# Allegro board PSOC_6A512K_CAPSENSE_VALIDATION_BOARD_Rev_2.brd (continued)
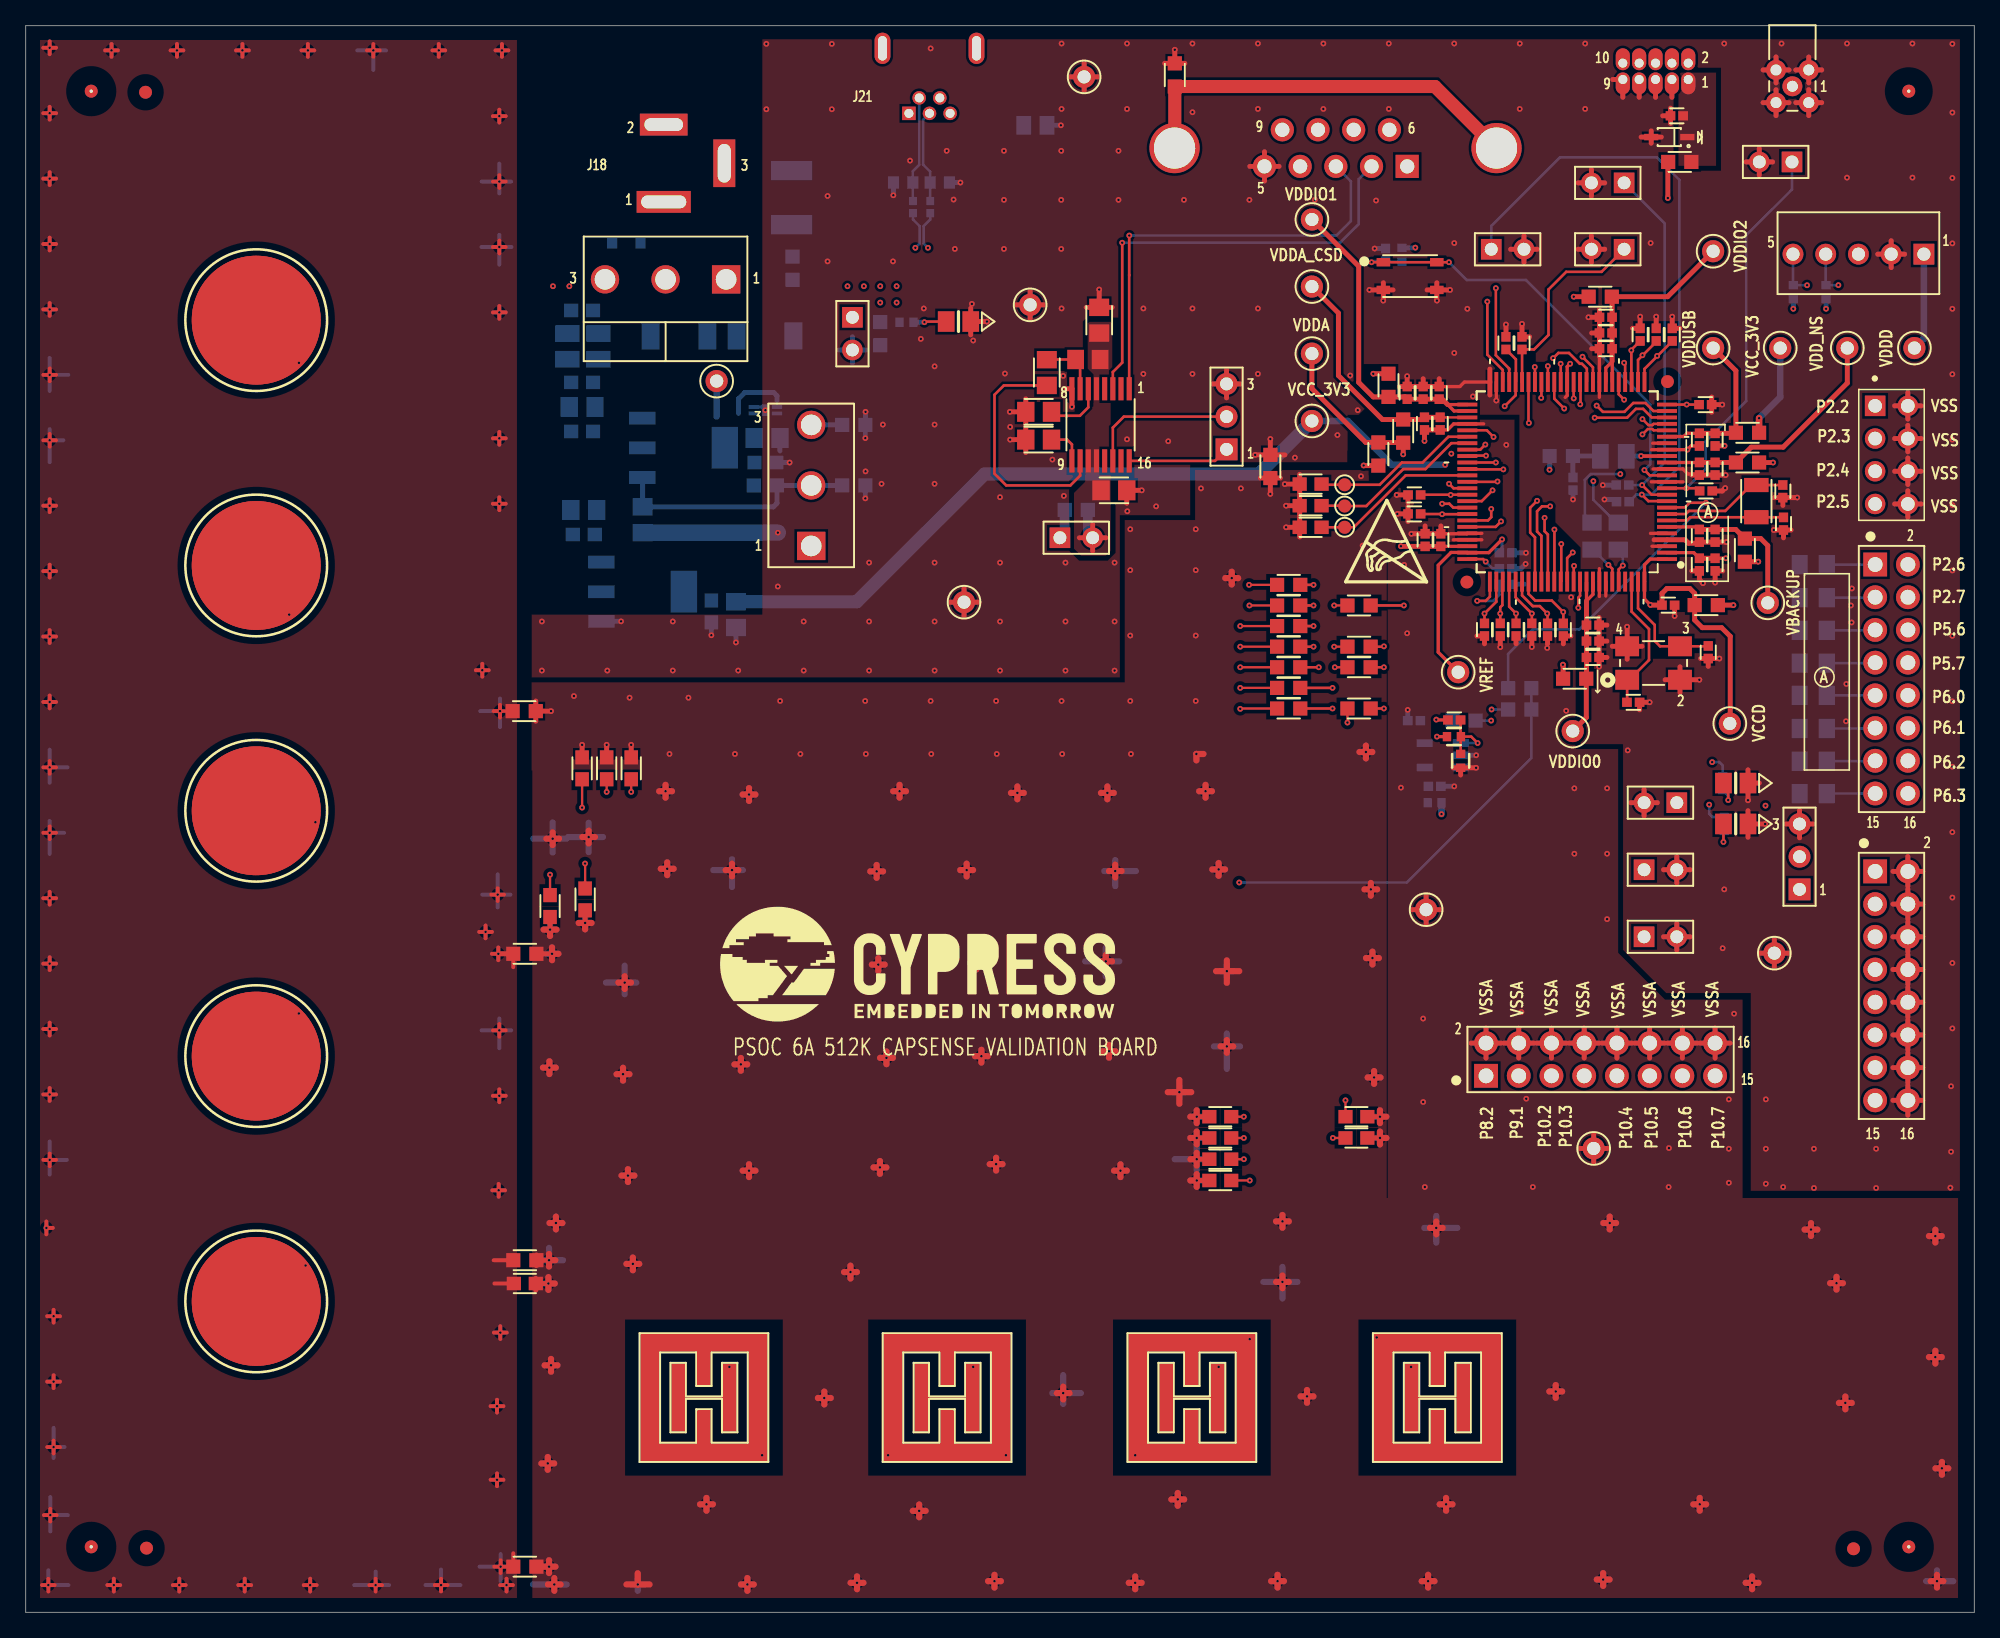
[diagram p0: board, top side]
## Routing (per net, layer and track width the routed paths; a pad name or vN(x,y) marks a point on that pad's centre or on a via; arc(x,y) is an arc through that point) (continued)
  BOTTOM w1.27: C51.2 v1(58.37,83.84)
  vias: v1(40.06,76.94) v1(40.06,73.13) v1(45.14,73.13) v1(50.22,76.94) v1(50.22,73.13) v1(55.3,73.13) v1(57.48,121.79) v1(57.48,116.71) v1(58.37,79.65) v1(60.38,76.94) v1(60.38,73.13) v1(62.23,109.98) v1(62.23,104.9) v1(62.56,121.79) v1(62.56,116.71) v1(65.18,88.6) v1(65.46,81.51) v1(65.46,76.94) v1(65.46,73.13) v1(66.42,87.63) v1(66.52,92.23) v1(67.31,104.9) v1(68.63,112.73) v1(69.47,98.88) v1(69.7,101.24) v1(70.23,121.44) v1(70.54,96.75) v1(70.54,92.23) v1(70.54,87.63) v1(70.54,81.51) v1(70.54,76.94) v1(70.54,73.13) v1(71.48,113.49) v1(72.01,109.7) v1(72.11,105.87) v1(73.43,101.6) v1(73.53,98.76) v1(75.62,86.59) v1(75.62,81.51) v1(75.62,76.94) v1(75.62,73.13) v1(75.92,113.49) v1(75.92,109.68) v1(75.92,105.87) v1(76,96.19) v1(76.4,92.05) v1(79.68,89.51) v1(80.39,121.82) v1(80.39,116.74) v1(80.37,113.49) v1(80.37,109.68) v1(80.37,105.87) v1(80.39,101.24) v1(80.52,96.01) v1(80.57,86.69) v1(80.7,81.51) v1(80.7,76.94) v1(80.7,73.13) v1(84.51,81.51) v1(84.51,76.94) v1(84.51,73.13) v1(84.81,113.49) v1(84.81,109.68) v1(85.47,121.82) v1(85.47,116.74) v1(85.47,91.08) v1(85.5,85.5) v1(86.74,101.24) v1(86.74,96.16) v1(87.73,85.88) v1(88.67,90.93) v1(89.89,109.68) v1(90.55,121.82) v1(90.55,116.48) v1(90.55,101.24) v1(90.55,96.16) v1(94.97,109.68) v1(95.63,121.82) v1(95.63,116.74) v1(95.63,101.24) v1(95.63,96.16) v1(98.5,89.66) v1(100.05,109.68) v1(100.71,121.82) v1(100.71,116.74) v1(101.8,91.41) v1(102.79,96.04) v1(103.38,93.34) v1(104.8,109.63) v1(105.79,121.82) v1(105.79,116.74) v1(110.87,121.82) v1(110.87,106.32) v1(110.87,97.79) v1(111.89,101.22) v1(112.32,94.41) v1(115.95,121.82) v1(115.95,116.74) v1(121.03,121.82) v1(121.03,116.74) v1(124.33,66.93) v1(126.11,106.32) v1(131.7,51.56) v1(131.83,121.82) v1(131.83,56.13) v1(135.05,39.83) v1(135.05,35.99) v1(135.05,33.27) v1(136.27,121.82) v1(136.4,33.02) v1(138.79,35.99) v1(138.79,32.94) v1(141.3,72.09) v1(141.27,69.19) v1(141.35,121.82) v1(141.35,111.4) v1(141.73,79.5) v1(141.66,78.18) v1(141.71,76.86) v1(143.61,35.99) v1(143.61,32.94) v1(146.43,121.82) v1(146.43,111.4) v1(149.43,40.84) v1(149.43,35.76) v1(149.38,32.97) v1(149.53,121.79) v1(149.53,116.46) v1(149.53,111.38) v1(149.53,106.3) v1(149.53,101.22) v1(149.53,96.14) v1(149.53,91.06) v1(149.53,85.98) v1(149.53,80.9) v1(149.53,75.82) v1(149.53,70.74) v1(149.53,65.66) v1(149.53,60.58) v1(149.53,55.5) v1(149.53,50.42) v1(149.53,45.34)
VSSA: length 638.3
  TOP w0.254: 110.79,83.28 U8.72 113.01,83.28 ; v1(118.08,74.88) 118.08,75.79 C116.1 ; C19.2 111.85,83.75 U8.71 113.02,83.78 ; 113.15,92.28 U8.54 111.88,92.28 110.82,92.28 110.36,91.81 C9.2
  TOP w0.381: C33.2 v1(90.88,36.83) ; 131.11,43.04 J23.16 ; J23.16 131.11,45.35 ; J23.16 132.27,44.2 ; J23.16 129.96,44.2 ; 39.58,69.19 R14.1 ; R14.1 v1(40.77,69.98) ; R14.1 39.58,70.76 ; C25.2 v1(43.18,67.36) ; 113.33,43.04 J23.2 ; J23.2 113.33,45.35 ; J23.2 114.49,44.2 ; J23.2 112.18,44.2 ; C31.2 v1(90.88,38.48) ; C88.1 107.28,85.89 ; C88.1 v1(106.45,85.29) ; C88.1 107.28,84.7 ; J23.12 126.03,45.35 ; J23.12 124.88,44.2 ; J23.12 127.19,44.2 ; J23.12 126.03,43.04 ; 117.26,44.2 J23.6 ; J23.6 119.57,44.2 ; J23.6 118.41,45.35 ; J23.6 118.41,43.04 ; 108.69,53.47 TP22.1 ; TP22.1 107.59,54.56 ; TP22.1 109.78,54.56 ; TP22.1 108.69,55.65 ; 121.69,34.93 TP28.1 ; TP28.1 122.78,36.02 ; TP28.1 121.69,37.11 ; TP28.1 120.6,36.02 ; 119.8,44.2 J23.8 ; J23.8 120.95,45.35 ; J23.8 120.95,43.04 ; J23.8 122.11,44.2 ; 39.32,25.53 C39.2 ; C39.2 39.58,25.93 ; C39.2 v1(40.56,25.53) ; C39.2 39.58,25 ; 115.87,43.04 J23.4 ; J23.4 117.03,44.2 ; J23.4 115.87,45.35 ; J23.4 114.72,44.2 ; J23.10 123.49,45.35 ; J23.10 122.34,44.2 ; J23.10 123.49,43.04 ; J23.10 124.65,44.2 ; 98.87,85.17 C22.2 ; C22.2 98.87,86.69 ; C22.2 v1(97.82,85.93) ; R63.2 v1(96.6,86.84) ; R63.2 95.81,88.08 ; R63.2 97.38,88.08 ; v1(107.54,83.74) 107.55,83.75 C20.2 ; C26.2 v1(45.09,67.36) ; R28.1 v1(40.85,51.13) ; 127.42,44.2 J23.14 ; J23.14 128.57,43.04 ; J23.14 128.57,45.35 ; J23.14 129.73,44.2 ; R27.1 v1(112.57,65.58) ; R27.1 110.78,65.58 ; R27.1 111.37,65.02 ; C32.2 v1(105.1,38.48) ; 98.87,86.85 C21.2 ; C21.2 98.87,88.36 ; C21.2 v1(97.71,87.61) ; C20.2 108.61,84.36 ; C20.2 C19.2 109.83,84.36 ; v1(108.56,90.96) 108.56,90.96 C8.2 C9.2 ; 112.62,75.81 C120.1 113.22,75.2 ; C119.1 v1(114.44,74.94) ; C121.2 v1(40.69,53.01) ; C23.2 98.87,85.01 ; C23.2 98.87,83.5 ; C23.2 v1(97.82,84.25) ; R29.1 v1(40.61,27.34) ; R29.1 39.63,27.75 ; R29.1 39.63,26.92 ; R29.1 39.32,27.34 ; 118.11,75.2 C116.1 ; C30.2 v1(43.41,53.53) ; 115.67,75.2 C118.1 ; C117.1 v1(116.89,74.96) ; C35.2 v1(90.88,35.18) ; 107.28,86.17 C87.1 v1(106.4,86.77) ; 119.93,75.81 C115.1 119.34,75.2 ; C27.2 v1(46.99,67.36) ; C34.2 v1(105.1,36.83) ; C37.2 v1(90.88,33.53)
  TOP w0.483: 66.29,34.05 v1(66.29,34.54) ; v1(66.29,34.54) 66.79,34.54 ; v1(66.29,34.54) 66.29,35.04 ; v1(66.29,34.54) 65.8,34.54 ; 72.53,57.63 v1(73.03,57.63) ; v1(73.03,57.63) 73.52,57.63 ; v1(73.03,57.63) 73.03,58.13 ; v1(73.03,57.63) 73.03,57.14 ; 90.88,33.03 v1(90.88,33.53) ; v1(90.88,33.53) 90.39,33.53 ; v1(90.88,33.53) 90.88,34.02 ; 55.37,49.04 v1(55.37,49.53) ; v1(55.37,49.53) 55.37,50.02 ; v1(55.37,49.53) 55.87,49.53 ; v1(55.37,49.53) 54.88,49.53 ; 97.16,1.92 v1(97.16,2.41) ; v1(97.16,2.41) 96.66,2.41 ; v1(97.16,2.41) 97.16,2.91 ; v1(97.16,2.41) 97.65,2.41 ; v1(133.99,2.29) 134.48,2.29 ; v1(133.99,2.29) 133.99,1.79 ; v1(133.99,2.29) 133.99,2.78 ; v1(133.99,2.29) 133.49,2.29 ; v1(122.43,2.54) 122.92,2.54 ; v1(122.43,2.54) 122.43,3.03 ; v1(122.43,2.54) 122.43,2.05 ; v1(122.43,2.54) 121.93,2.54 ; 147.71,19.81 v1(148.21,19.81) ; v1(148.21,19.81) 148.7,19.81 ; v1(148.21,19.81) 148.21,19.32 ; v1(148.21,19.81) 148.21,20.31 ; 103.52,66.8 v1(104.01,66.8) ; v1(104.01,66.8) 104.51,66.8 ; v1(104.01,66.8) 104.01,66.31 ; v1(104.01,66.8) 104.01,67.3 ; 67.32,63.75 v1(67.82,63.75) ; v1(67.82,63.75) 67.82,64.25 ; v1(67.82,63.75) 67.82,63.26 ; v1(67.82,63.75) 68.31,63.75 ; 129.92,7.89 v1(129.92,8.38) ; v1(129.92,8.38) 129.92,8.88 ; v1(129.92,8.38) 129.43,8.38 ; v1(129.92,8.38) 130.42,8.38 ; 64.01,25.92 v1(64.01,26.42) ; v1(64.01,26.42) 64.5,26.42 ; v1(64.01,26.42) 63.51,26.42 ; v1(64.01,26.42) 64.01,26.91 ; 52.83,7.89 v1(52.83,8.38) ; v1(52.83,8.38) 52.34,8.38 ; v1(52.83,8.38) 52.83,8.88 ; v1(52.83,8.38) 53.33,8.38 ; v1(61.98,16.64) 62.47,16.64 ; v1(61.98,16.64) 61.98,16.14 ; v1(61.98,16.64) 61.98,17.13 ; v1(61.98,16.64) 61.48,16.64 ; 40.12,3.54 v1(40.61,3.54) ; v1(40.61,3.54) 40.61,3.04 ; v1(40.61,3.54) 41.11,3.54 ; v1(40.61,3.54) 40.61,4.03 ; v1(84.56,57.56) 85.05,57.56 ; v1(84.56,57.56) 84.56,58.05 ; v1(84.56,57.56) 84.06,57.56 ; v1(84.56,57.56) 84.56,57.06 ; v1(66.04,57.53) 66.04,58.03 ; v1(66.04,57.53) 65.55,57.53 ; v1(66.04,57.53) 66.53,57.53 ; v1(66.04,57.53) 66.04,57.04 ; 93.22,43.45 v1(93.22,43.94) ; v1(93.22,43.94) 92.72,43.94 ; v1(93.22,43.94) 93.22,44.44 ; v1(93.22,43.94) 93.71,43.94 ; v1(104.65,41.53) 104.65,42.02 ; v1(104.65,41.53) 105.14,41.53 ; v1(104.65,41.53) 104.65,41.03 ; v1(104.65,41.53) 104.15,41.53 ; 40.02,11.56 v1(40.51,11.56) ; v1(40.51,11.56) 40.51,11.06 ; v1(40.51,11.56) 40.51,12.05 ; v1(40.51,11.56) 41.01,11.56 ; v1(75.31,34.8) 75.81,34.8 ; v1(75.31,34.8) 75.31,35.29 ; v1(75.31,34.8) 74.82,34.8 ; v1(75.31,34.8) 75.31,34.3 ; 40.69,52.52 v1(40.69,53.01) ; v1(40.69,53.01) 41.19,53.01 ; v1(40.69,53.01) 40.2,53.01 ; 93.1,80.31 v1(93.6,80.31) ; v1(93.6,80.31) 93.6,79.81 ; v1(93.6,80.31) 93.6,80.8 ; v1(93.6,80.31) 94.09,80.31 ; 83.82,50.05 v1(83.82,50.55) ; v1(83.82,50.55) 83.82,51.04 ; v1(83.82,50.55) 84.31,50.55 ; v1(83.82,50.55) 83.33,50.55 ; v1(46.74,33.91) 47.23,33.91 ; v1(46.74,33.91) 46.24,33.91 ; v1(46.74,33.91) 46.74,33.41 ; v1(46.74,33.91) 46.74,34.4 ; v1(92.58,57.68) 92.58,58.18 ; v1(92.58,57.68) 92.58,57.19 ; v1(92.58,57.68) 93.08,57.68 ; v1(92.58,57.68) 92.09,57.68 ; v1(105.1,36.83) 105.6,36.83 ; v1(105.1,36.83) 105.1,37.32 ; v1(105.1,36.83) 105.1,36.34 ; v1(56.13,34.29) 56.13,34.78 ; v1(56.13,34.29) 55.64,34.29 ; v1(56.13,34.29) 56.13,33.8 ; v1(56.13,34.29) 56.63,34.29 ; 141.22,15.76 v1(141.22,16.26) ; v1(141.22,16.26) 141.72,16.26 ; v1(141.22,16.26) 140.73,16.26 ; v1(141.22,16.26) 141.22,16.75 ; 55.5,42.05 v1(55.5,42.55) ; v1(55.5,42.55) 55.99,42.55 ; v1(55.5,42.55) 55.5,43.04 ; v1(55.5,42.55) 55,42.55 ; v1(122.94,30.23) 123.43,30.23 ; v1(122.94,30.23) 122.94,30.72 ; v1(122.94,30.23) 122.94,29.73 ; v1(122.94,30.23) 122.44,30.23 ; 46.62,27.05 v1(47.12,27.05) ; v1(47.12,27.05) 47.61,27.05 ; v1(47.12,27.05) 47.12,26.56 ; v1(47.12,27.05) 47.12,27.55 ; v1(40.61,27.34) 41.11,27.34 ; v1(40.61,27.34) 40.61,27.83 ; v1(40.61,27.34) 40.61,26.84 ; v1(84.07,43.56) 84.07,44.06 ; v1(84.07,43.56) 84.07,43.07 ; v1(84.07,43.56) 83.58,43.56 ; v1(84.07,43.56) 84.57,43.56 ; v1(118.75,17.14) 119.24,17.14 ; v1(118.75,17.14) 118.75,16.65 ; v1(118.75,17.14) 118.25,17.14 ; v1(118.75,17.14) 118.75,17.64 ; v1(40.89,60.07) 40.89,60.57 ; v1(40.89,60.07) 40.89,59.58 ; v1(40.89,60.07) 40.4,60.07 ; v1(40.89,60.07) 41.39,60.07 ; v1(73.79,50.42) 73.79,50.91 ; v1(73.79,50.42) 73.29,50.42 ; v1(73.79,50.42) 74.28,50.42 ; v1(73.79,50.42) 73.79,49.92 ; v1(108.84,2.41) 109.33,2.41 ; v1(108.84,2.41) 108.34,2.41 ; v1(108.84,2.41) 108.84,2.91 ; v1(108.84,2.41) 108.84,1.92 ; 109.74,8.38 v1(110.24,8.38) ; v1(110.24,8.38) 110.24,7.89 ; v1(110.24,8.38) 110.24,8.88 ; v1(110.24,8.38) 110.73,8.38 ; 74.17,42.69 v1(74.17,43.18) ; v1(74.17,43.18) 74.66,43.18 ; v1(74.17,43.18) 73.67,43.18 ; v1(74.17,43.18) 74.17,43.67 ; v1(69.34,7.87) 69.84,7.87 ; v1(69.34,7.87) 68.85,7.87 ; v1(69.34,7.87) 69.34,7.38 ; v1(69.34,7.87) 69.34,8.37 ; 104.39,55.64 v1(104.39,56.13) ; v1(104.39,56.13) 103.9,56.13 ; v1(104.39,56.13) 104.89,56.13 ; v1(104.39,56.13) 104.39,56.63 ; 41.02,1.66 v1(41.02,2.16) ; v1(41.02,2.16) 40.53,2.16 ; v1(41.02,2.16) 41.02,2.65 ; v1(41.02,2.16) 41.52,2.16 ; 148.21,28.72 v1(148.21,29.21) ; v1(148.21,29.21) 147.71,29.21 ; v1(148.21,29.21) 148.7,29.21 ; v1(148.21,29.21) 148.21,29.7 ; 91.07,63.75 v1(91.57,63.75) ; v1(91.57,63.75) 91.57,63.26 ; v1(91.57,63.75) 92.06,63.75 ; v1(91.57,63.75) 91.57,64.25 ; 43.19,60.2 v1(43.69,60.2) ; v1(43.69,60.2) 44.18,60.2 ; v1(43.69,60.2) 43.69,59.7 ; v1(43.69,60.2) 43.69,60.69 ; 75.18,1.92 v1(75.18,2.41) ; v1(75.18,2.41) 74.69,2.41 ; v1(75.18,2.41) 75.68,2.41 ; v1(75.18,2.41) 75.18,2.91 ; 40.77,18.68 v1(40.77,19.18) ; v1(40.77,19.18) 40.27,19.18 ; v1(40.77,19.18) 40.77,19.67 ; v1(40.77,19.18) 41.26,19.18 ; v1(41.15,30.23) 41.64,30.23 ; v1(41.15,30.23) 40.65,30.23 ; v1(41.15,30.23) 41.15,29.73 ; v1(41.15,30.23) 41.15,30.72 ; 90.39,38.48 v1(90.88,38.48) ; v1(90.88,38.48) 90.88,37.99 ; v1(90.88,38.48) 90.88,38.98 ; 54.81,57.14 v1(54.81,57.63) ; v1(54.81,57.63) 54.32,57.63 ; v1(54.81,57.63) 55.31,57.63 ; v1(54.81,57.63) 54.81,58.13 ; 85.61,2.29 v1(86.11,2.29) ; v1(86.11,2.29) 86.11,1.79 ; v1(86.11,2.29) 86.11,2.78 ; v1(86.11,2.29) 86.6,2.29 ; 90.88,34.68 v1(90.88,35.18) ; v1(90.88,35.18) 90.88,35.67 ; v1(90.88,35.18) 90.39,35.18 ; 88.91,8.76 v1(89.41,8.76) ; v1(89.41,8.76) 89.41,8.27 ; v1(89.41,8.76) 89.9,8.76 ; v1(89.41,8.76) 89.41,9.26 ; v1(40.85,51.13) 41.34,51.13 ; v1(40.85,51.13) 40.85,51.63 ; v1(40.85,51.13) 40.85,50.64 ; 109.47,29.35 v1(109.47,29.84) ; v1(109.47,29.84) 109.47,30.34 ; v1(109.47,29.84) 109.97,29.84 ; v1(109.47,29.84) 108.98,29.84 ; 90.39,36.83 v1(90.88,36.83) ; v1(90.88,36.83) 90.88,37.32 ; v1(90.88,36.83) 90.88,36.34 ; 80.02,17.02 v1(80.52,17.02) ; v1(80.52,17.02) 80.52,17.51 ; v1(80.52,17.02) 80.52,16.52 ; v1(80.52,17.02) 81.01,17.02 ; 140.54,25.06 v1(140.54,25.55) ; v1(140.54,25.55) 141.03,25.55 ; v1(140.54,25.55) 140.04,25.55 ; v1(140.54,25.55) 140.54,26.05 ; 97.04,25.65 v1(97.54,25.65) ; v1(97.54,25.65) 98.03,25.65 ; v1(97.54,25.65) 97.54,26.15 ; v1(97.54,25.65) 97.54,25.16 ; 84.96,33.8 v1(84.96,34.29) ; v1(84.96,34.29) 84.47,34.29 ; v1(84.96,34.29) 85.46,34.29 ; v1(84.96,34.29) 84.96,34.78 ; v1(49.66,63.75) 49.66,64.25 ; v1(49.66,63.75) 49.66,63.26 ; v1(49.66,63.75) 49.16,63.75 ; v1(49.66,63.75) 50.15,63.75 ; v1(49.78,57.73) 50.28,57.73 ; v1(49.78,57.73) 49.29,57.73 ; v1(49.78,57.73) 49.78,57.24 ; v1(49.78,57.73) 49.78,58.23 ; v1(148.72,11.18) 149.21,11.18 ; v1(148.72,11.18) 148.22,11.18 ; v1(148.72,11.18) 148.72,11.67 ; v1(148.72,11.18) 148.72,10.68 ; v1(46.48,48.9) 46.48,49.39 ; v1(46.48,48.9) 46.48,48.4 ; v1(46.48,48.9) 45.99,48.9 ; v1(46.48,48.9) 46.98,48.9 ; 93.22,48.88 v1(93.22,49.78) ; v1(93.22,49.78) 94.18,49.78 ; v1(93.22,49.78) 92.38,49.78 ; v1(93.22,49.78) 93.22,50.62 ; v1(56.01,2.16) 56.01,2.65 ; v1(56.01,2.16) 56.5,2.16 ; v1(56.01,2.16) 55.51,2.16 ; v1(56.01,2.16) 56.01,1.66 ; 104.52,50.31 v1(104.52,50.8) ; v1(104.52,50.8) 105.02,50.8 ; v1(104.52,50.8) 104.03,50.8 ; v1(104.52,50.8) 104.52,51.29 ; 43.41,53.03 v1(43.41,53.53) ; v1(43.41,53.53) 43.91,53.53 ; v1(43.41,53.53) 42.92,53.53 ; v1(66.17,50.29) 66.66,50.29 ; v1(66.17,50.29) 66.17,50.79 ; v1(66.17,50.29) 66.17,49.8 ; v1(66.17,50.29) 65.67,50.29 ; v1(99.44,16.76) 99.44,17.26 ; v1(99.44,16.76) 98.95,16.76 ; v1(99.44,16.76) 99.94,16.76 ; v1(99.44,16.76) 99.44,16.27 ; 66.8,42.56 v1(66.8,43.05) ; v1(66.8,43.05) 66.8,43.55 ; v1(66.8,43.05) 66.31,43.05 ; v1(66.8,43.05) 67.3,43.05 ; v1(47.5,2.16) 48.41,2.16 ; v1(47.5,2.16) 46.63,2.16 ; v1(47.5,2.16) 47.5,3.03 ; v1(148.34,2.41) 148.83,2.41 ; v1(148.34,2.41) 148.34,1.92 ; v1(148.34,2.41) 148.34,2.91 ; v1(148.34,2.41) 147.84,2.41 ; 55.64,63.5 v1(56.13,63.5) ; v1(56.13,63.5) 56.63,63.5 ; v1(56.13,63.5) 56.13,63.01 ; v1(56.13,63.5) 56.13,63.99 ; 64.52,1.79 v1(64.52,2.29) ; v1(64.52,2.29) 64.02,2.29 ; v1(64.52,2.29) 64.52,2.78 ; v1(64.52,2.29) 65.01,2.29 ; v1(97.54,30.35) 98.03,30.35 ; v1(97.54,30.35) 97.04,30.35 ; v1(97.54,30.35) 97.54,29.86 ; v1(97.54,30.35) 97.54,30.85 ; v1(89.53,40.39) 89.53,41.33 ; v1(89.53,40.39) 89.53,39.49 ; v1(89.53,40.39) 90.46,40.39 ; v1(89.53,40.39) 88.64,40.39 ; v1(40.56,25.53) 41.06,25.53 ; v1(40.56,25.53) 40.56,25.03 ; v1(40.56,25.53) 40.56,26.02 ; v1(76.96,63.63) 76.96,64.12 ; v1(76.96,63.63) 76.47,63.63 ; v1(76.96,63.63) 77.46,63.63 ; v1(76.96,63.63) 76.96,63.13 ; 90.86,66.15 v1(90.86,66.65) 91.4,66.65 ; v1(40.64,42.29) 40.64,42.79 ; v1(40.64,42.29) 40.64,41.8 ; v1(40.64,42.29) 40.15,42.29 ; v1(40.64,42.29) 41.13,42.29 ; v1(83.95,63.63) 84.44,63.63 ; v1(83.95,63.63) 83.95,64.12 ; v1(83.95,63.63) 83.45,63.63 ; v1(83.95,63.63) 83.95,63.13 ; 105.1,37.99 v1(105.1,38.48) ; v1(105.1,38.48) 105.6,38.48 ; v1(105.1,38.48) 105.1,38.98 ; 138.06,29.72 v1(138.56,29.72) ; v1(138.56,29.72) 139.05,29.72 ; v1(138.56,29.72) 138.56,30.21 ; v1(138.56,29.72) 138.56,29.22 ; 45.86,41.78 v1(46.35,41.78) ; v1(46.35,41.78) 46.35,42.28 ; v1(46.35,41.78) 46.85,41.78 ; v1(46.35,41.78) 46.35,41.29
  L02_GND w0.381: J23.6 119.57,44.2 ; J23.6 118.41,43.04 ; J23.6 117.26,44.2 ; J23.6 118.41,45.35 ; 127.42,44.2 J23.14 ; J23.14 128.57,43.04 ; J23.14 129.73,44.2 ; J23.14 128.57,45.35 ; J23.2 113.33,45.35 ; J23.2 113.33,43.04 ; J23.2 114.49,44.2 ; J23.2 112.18,44.2 ; 115.87,43.04 J23.4 ; J23.4 114.72,44.2 ; J23.4 115.87,45.35 ; J23.4 117.03,44.2 ; TP28.1 122.78,36.02 ; TP28.1 121.69,34.93 ; TP28.1 120.6,36.02 ; TP28.1 121.69,37.11 ; 129.96,44.2 J23.16 ; J23.16 132.27,44.2 ; J23.16 131.11,43.04 ; J23.16 131.11,45.35 ; 122.34,44.2 J23.10 ; J23.10 123.49,45.35 ; J23.10 123.49,43.04 ; J23.10 124.65,44.2 ; 124.88,44.2 J23.12 ; J23.12 127.19,44.2 ; J23.12 126.03,43.04 ; J23.12 126.03,45.35 ; TP22.1 109.78,54.56 ; TP22.1 107.59,54.56 ; TP22.1 108.69,55.65 ; TP22.1 108.69,53.47 ; J23.8 122.11,44.2 ; J23.8 120.95,43.04 ; J23.8 119.8,44.2 ; J23.8 120.95,45.35
  L03_SIG w0.381: 120.95,43.04 J23.8 ; 120.6,36.02 TP28.1 ; TP28.1 121.69,37.11 ; TP28.1 122.78,36.02 ; TP28.1 121.69,34.93 ; 118.41,45.35 J23.6 118.41,43.04 ; TP22.1 108.69,55.65 ; TP22.1 108.69,53.47 ; TP22.1 109.78,54.56 ; TP22.1 107.59,54.56 ; J23.16 132.27,44.2 ; J23.16 131.11,45.35 ; J23.16 131.11,43.04 ; 126.03,45.35 J23.12 126.03,43.04 ; 115.87,43.04 J23.4 ; J23.4 115.87,45.35 ; J23.4 114.72,44.2 ; 113.33,43.04 J23.2 ; J23.2 112.18,44.2 ; J23.2 113.33,45.35 ; J23.2 114.49,44.2 ; 128.57,43.04 J23.14 ; 123.49,43.04 J23.10
  L04_SIG w0.381: 114.72,44.2 J23.4 ; J23.4 117.03,44.2 ; J23.4 115.87,45.35 ; J23.4 115.87,43.04 ; 107.59,54.56 TP22.1 ; TP22.1 108.69,53.47 ; TP22.1 109.78,54.56 ; TP22.1 108.69,55.65 ; 113.33,43.04 J23.2 ; J23.2 112.18,44.2 ; J23.2 114.49,44.2 ; J23.2 113.33,45.35 ; J23.6 118.41,45.35 ; J23.6 118.41,43.04 ; J23.6 117.26,44.2 ; J23.6 119.57,44.2 ; 122.34,44.2 J23.10 ; J23.10 123.49,45.35 ; J23.10 124.65,44.2 ; J23.10 123.49,43.04 ; 119.8,44.2 J23.8 ; J23.8 122.11,44.2 ; J23.8 120.95,43.04 ; J23.8 120.95,45.35 ; J23.16 132.27,44.2 ; J23.16 129.96,44.2 ; J23.16 131.11,43.04 ; J23.16 131.11,45.35 ; 124.88,44.2 J23.12 ; J23.12 126.03,45.35 ; J23.12 126.03,43.04 ; J23.12 127.19,44.2 ; 127.42,44.2 J23.14 ; J23.14 128.57,43.04 ; J23.14 129.73,44.2 ; J23.14 128.57,45.35 ; 121.69,34.93 TP28.1 ; TP28.1 121.69,37.11 ; TP28.1 122.78,36.02 ; TP28.1 120.6,36.02
  BOTTOM w0.381: 124.88,44.2 J23.12 ; J23.12 127.19,44.2 ; J23.12 126.03,43.04 ; J23.12 126.03,45.35 ; J23.2 114.49,44.2 ; J23.2 113.33,45.35 ; J23.2 112.18,44.2 ; J23.2 113.33,43.04 ; J23.14 128.57,45.35 ; J23.14 127.42,44.2 ; J23.14 128.57,43.04 ; J23.14 129.73,44.2 ; TP22.1 108.69,55.65 ; TP22.1 109.78,54.56 ; TP22.1 108.69,53.47 ; TP22.1 107.59,54.56 ; J23.6 119.57,44.2 ; J23.6 117.26,44.2 ; J23.6 118.41,45.35 ; J23.6 118.41,43.04 ; 121.69,34.93 TP28.1 ; TP28.1 122.78,36.02 ; TP28.1 121.69,37.11 ; TP28.1 120.6,36.02 ; 119.8,44.2 J23.8 ; J23.8 120.95,43.04 ; J23.8 120.95,45.35 ; J23.8 122.11,44.2 ; C65.2 v1(110.87,64.14) ; J23.4 115.87,45.35 ; J23.4 114.72,44.2 ; J23.4 117.03,44.2 ; J23.4 115.87,43.04 ; J23.16 132.27,44.2 ; J23.16 131.11,45.35 ; J23.16 129.96,44.2 ; J23.16 131.11,43.04 ; 122.34,44.2 J23.10 ; J23.10 124.65,44.2 ; J23.10 123.49,45.35 ; J23.10 123.49,43.04 ; U6.2 v1(112.57,66.55) ; C64.2 v1(107.26,70.07)
  BOTTOM w0.483: v1(47.5,2.16) 47.99,2.16 ; v1(47.5,2.16) 47.5,1.66 ; v1(47.5,2.16) 47.5,2.65 ; v1(47.5,2.16) 47,2.16 ; v1(118.75,17.14) 119.24,17.14 ; v1(118.75,17.14) 118.75,17.64 ; v1(118.75,17.14) 118.75,16.65 ; v1(118.75,17.14) 118.25,17.14 ; 104.65,41.03 v1(104.65,41.53) ; v1(104.65,41.53) 105.14,41.53 ; v1(104.65,41.53) 104.65,42.02 ; v1(104.65,41.53) 104.15,41.53 ; v1(148.21,29.21) 148.21,29.7 ; v1(148.21,29.21) 148.7,29.21 ; v1(148.21,29.21) 147.71,29.21 ; v1(148.21,29.21) 148.21,28.72 ; v1(138.56,29.72) 139.05,29.72 ; v1(138.56,29.72) 138.56,29.22 ; v1(138.56,29.72) 138.56,30.21 ; v1(138.56,29.72) 138.06,29.72 ; v1(133.99,2.29) 134.48,2.29 ; v1(133.99,2.29) 133.99,2.78 ; v1(133.99,2.29) 133.99,1.79 ; v1(133.99,2.29) 133.49,2.29 ; v1(46.74,33.91) 46.74,34.4 ; v1(46.74,33.91) 46.74,33.41 ; v1(46.74,33.91) 46.24,33.91 ; v1(46.74,33.91) 47.23,33.91 ; 40.61,3.04 v1(40.61,3.54) ; v1(40.61,3.54) 40.12,3.54 ; v1(40.61,3.54) 41.11,3.54 ; v1(40.61,3.54) 40.61,4.03 ; v1(97.54,30.35) 97.54,30.85 ; v1(97.54,30.35) 97.54,29.86 ; v1(97.54,30.35) 98.03,30.35 ; v1(97.54,30.35) 97.04,30.35 ; 86.11,1.79 v1(86.11,2.29) ; v1(86.11,2.29) 86.11,2.78 ; v1(86.11,2.29) 86.6,2.29 ; v1(86.11,2.29) 85.61,2.29 ; 108.34,2.41 v1(108.84,2.41) ; v1(108.84,2.41) 108.84,2.91 ; v1(108.84,2.41) 109.33,2.41 ; v1(108.84,2.41) 108.84,1.92 ; v1(92.58,57.68) 92.58,58.18 ; v1(92.58,57.68) 92.58,57.19 ; v1(92.58,57.68) 92.09,57.68 ; v1(92.58,57.68) 93.08,57.68 ; v1(66.17,50.29) 66.66,50.29 ; v1(66.17,50.29) 66.17,49.8 ; v1(66.17,50.29) 65.67,50.29 ; v1(66.17,50.29) 66.17,50.79 ; 39.65,27.34 v1(40.61,27.34) ; v1(40.61,27.34) 40.61,28.29 ; v1(40.61,27.34) 41.7,27.34 ; v1(93.22,49.78) 93.71,49.78 ; v1(93.22,49.78) 92.72,49.78 ; v1(93.22,49.78) 93.22,49.29 ; v1(93.22,49.78) 93.22,50.28 ; v1(41.15,30.23) 41.15,30.72 ; v1(41.15,30.23) 40.65,30.23 ; v1(41.15,30.23) 41.15,29.73 ; v1(41.15,30.23) 41.64,30.23 ; 69.34,7.38 v1(69.34,7.87) ; v1(69.34,7.87) 69.84,7.87 ; v1(69.34,7.87) 69.34,8.37 ; v1(69.34,7.87) 68.85,7.87 ; v1(52.83,8.38) 53.33,8.38 ; v1(52.83,8.38) 52.34,8.38 ; v1(52.83,8.38) 52.83,7.89 ; v1(52.83,8.38) 52.83,8.88 ; 55.51,2.16 v1(56.01,2.16) ; v1(56.01,2.16) 56.01,2.65 ; v1(56.01,2.16) 56.5,2.16 ; v1(56.01,2.16) 56.01,1.66 ; v1(49.66,63.75) 50.15,63.75 ; v1(49.66,63.75) 49.66,63.26 ; v1(49.66,63.75) 49.66,64.25 ; v1(49.66,63.75) 49.16,63.75 ; v1(104.52,50.8) 104.52,51.29 ; v1(104.52,50.8) 104.52,50.31 ; v1(104.52,50.8) 104.03,50.8 ; v1(104.52,50.8) 105.02,50.8 ; 54.81,56.32 v1(54.81,57.63) ; v1(54.81,57.63) 53.36,57.63 ; v1(54.81,57.63) 55.66,57.63 ; v1(54.81,57.63) 54.81,58.48 ; 105.1,36.34 v1(105.1,36.83) ; v1(105.1,36.83) 105.6,36.83 ; v1(105.1,36.83) 105.1,37.32 ; v1(105.1,36.83) 104.61,36.83 ; v1(40.77,19.18) 41.26,19.18 ; v1(40.77,19.18) 40.27,19.18 ; v1(40.77,19.18) 40.77,19.67 ; v1(40.77,19.18) 40.77,18.68 ; v1(73.79,50.42) 73.79,50.91 ; v1(73.79,50.42) 74.28,50.42 ; v1(73.79,50.42) 73.79,49.92 ; v1(73.79,50.42) 73.29,50.42 ; 90.88,37.99 v1(90.88,38.48) ; v1(90.88,38.48) 91.38,38.48 ; v1(90.88,38.48) 90.39,38.48 ; v1(90.88,38.48) 90.88,38.98 ; v1(75.31,34.8) 75.81,34.8 ; v1(75.31,34.8) 75.31,35.29 ; v1(75.31,34.8) 75.31,34.3 ; v1(75.31,34.8) 74.82,34.8 ; 39.39,60.07 v1(40.89,60.07) ; v1(40.89,60.07) 40.89,61.33 ; v1(40.89,60.07) 40.89,59 ; v1(40.89,60.07) 41.96,60.07 ; 122.94,29.73 v1(122.94,30.23) ; v1(122.94,30.23) 122.94,30.72 ; v1(122.94,30.23) 122.44,30.23 ; v1(122.94,30.23) 123.43,30.23 ; v1(46.48,48.9) 46.48,50.21 ; v1(46.48,48.9) 46.48,47.99 ; v1(46.48,48.9) 45.03,48.9 ; v1(46.48,48.9) 47.38,48.9 ; 103.52,66.8 v1(104.01,66.8) ; v1(104.01,66.8) 104.01,66.31 ; v1(104.01,66.8) 104.01,67.3 ; v1(104.01,66.8) 104.51,66.8 ; 83.95,63.13 v1(83.95,63.63) ; v1(83.95,63.63) 83.45,63.63 ; v1(83.95,63.63) 83.95,64.12 ; v1(83.95,63.63) 84.44,63.63 ; 76.47,63.63 v1(76.96,63.63) ; v1(76.96,63.63) 76.96,64.12 ; v1(76.96,63.63) 76.96,63.13 ; v1(76.96,63.63) 77.46,63.63 ; 99.44,16.27 v1(99.44,16.76) ; v1(99.44,16.76) 98.95,16.76 ; v1(99.44,16.76) 99.44,17.26 ; v1(99.44,16.76) 99.94,16.76 ; v1(73.03,57.63) 73.52,57.63 ; v1(73.03,57.63) 73.03,58.13 ; v1(73.03,57.63) 72.53,57.63 ; v1(73.03,57.63) 73.03,57.14 ; 49.78,57.24 v1(49.78,57.73) ; v1(49.78,57.73) 49.78,58.23 ; v1(49.78,57.73) 49.29,57.73 ; v1(49.78,57.73) 50.28,57.73 ; 91.4,66.65 v1(90.86,66.65) 90.86,66.15 ; v1(148.72,11.18) 148.72,11.67 ; v1(148.72,11.18) 148.72,10.68 ; v1(148.72,11.18) 148.22,11.18 ; v1(148.72,11.18) 149.21,11.18 ; 82.23,50.55 v1(83.82,50.55) ; v1(83.82,50.55) 83.82,49.37 ; v1(83.82,50.55) 84.87,50.55 ; v1(83.82,50.55) 83.82,51.6 ; 84.47,34.29 v1(84.96,34.29) ; v1(84.96,34.29) 84.96,34.78 ; v1(84.96,34.29) 85.46,34.29 ; v1(84.96,34.29) 84.96,33.8 ; v1(93.6,80.31) 94.09,80.31 ; v1(93.6,80.31) 93.6,80.8 ; v1(93.6,80.31) 93.6,79.81 ; v1(93.6,80.31) 93.1,80.31 ; 40.64,41.8 v1(40.64,42.29) ; v1(40.64,42.29) 41.13,42.29 ; v1(40.64,42.29) 40.15,42.29 ; v1(40.64,42.29) 40.64,42.79 ; 148.21,19.32 v1(148.21,19.81) ; v1(148.21,19.81) 148.21,20.31 ; v1(148.21,19.81) 147.71,19.81 ; v1(148.21,19.81) 148.7,19.81 ; 147.5,2.41 v1(148.34,2.41) ; v1(148.34,2.41) 148.34,3.25 ; v1(148.34,2.41) 149.6,2.41 ; v1(93.22,43.94) 93.22,44.94 ; v1(93.22,43.94) 92.22,43.94 ; v1(93.22,43.94) 93.22,42.2 ; v1(93.22,43.94) 94.24,43.94 ; 96.06,25.65 v1(97.54,25.65) ; v1(97.54,25.65) 98.7,25.65 ; v1(97.54,25.65) 97.54,26.82 ; v1(97.54,25.65) 97.54,24.37 ; v1(141.22,16.26) 141.22,16.75 ; v1(141.22,16.26) 141.22,15.76 ; v1(141.22,16.26) 140.73,16.26 ; v1(141.22,16.26) 141.72,16.26 ; 89.04,40.39 v1(89.53,40.39) ; v1(89.53,40.39) 89.53,39.89 ; v1(89.53,40.39) 90.03,40.39 ; v1(89.53,40.39) 89.53,40.88 ; v1(90.88,36.83) 90.88,37.32 ; v1(90.88,36.83) 90.88,36.34 ; v1(90.88,36.83) 91.38,36.83 ; v1(90.88,36.83) 90.39,36.83 ; v1(90.88,33.53) 91.38,33.53 ; v1(90.88,33.53) 90.39,33.53 ; v1(90.88,33.53) 90.88,33.03 ; v1(90.88,33.53) 90.88,34.02 ; v1(66.8,43.05) 67.3,43.05 ; v1(66.8,43.05) 66.8,43.55 ; v1(66.8,43.05) 66.31,43.05 ; v1(66.8,43.05) 66.8,42.56 ; 104.61,38.48 v1(105.1,38.48) ; v1(105.1,38.48) 105.1,38.98 ; v1(105.1,38.48) 105.1,37.99 ; v1(105.1,38.48) 105.6,38.48 ; 65.8,34.54 v1(66.29,34.54) ; v1(66.29,34.54) 66.29,34.05 ; v1(66.29,34.54) 66.79,34.54 ; v1(66.29,34.54) 66.29,35.04 ; 88.91,8.76 v1(89.41,8.76) ; v1(89.41,8.76) 89.41,9.26 ; v1(89.41,8.76) 89.41,8.27 ; v1(89.41,8.76) 89.9,8.76 ; 47.12,26.56 v1(47.12,27.05) ; v1(47.12,27.05) 46.62,27.05 ; v1(47.12,27.05) 47.12,27.55 ; v1(47.12,27.05) 47.61,27.05 ; 56.13,63.01 v1(56.13,63.5) ; v1(56.13,63.5) 56.63,63.5 ; v1(56.13,63.5) 56.13,63.99 ; v1(56.13,63.5) 55.64,63.5 ; v1(74.17,43.18) 74.17,43.67 ; v1(74.17,43.18) 74.17,42.69 ; v1(74.17,43.18) 74.66,43.18 ; v1(74.17,43.18) 73.67,43.18 ; v1(56.13,34.29) 56.63,34.29 ; v1(56.13,34.29) 55.64,34.29 ; v1(56.13,34.29) 56.13,34.78 ; v1(56.13,34.29) 56.13,33.8 ; 108.55,29.84 v1(109.47,29.84) ; v1(109.47,29.84) 109.47,30.77 ; v1(109.47,29.84) 109.47,28.71 ; v1(109.47,29.84) 111.1,29.84 ; 121.93,2.54 v1(122.43,2.54) ; v1(122.43,2.54) 122.43,3.03 ; v1(122.43,2.54) 122.43,2.05 ; v1(122.43,2.54) 122.92,2.54 ; 91.07,63.75 v1(91.57,63.75) ; v1(91.57,63.75) 91.57,63.26 ; v1(91.57,63.75) 92.06,63.75 ; v1(91.57,63.75) 91.57,64.25 ; 67.32,63.75 v1(67.82,63.75) ; v1(67.82,63.75) 67.82,63.26 ; v1(67.82,63.75) 67.82,64.25 ; v1(67.82,63.75) 68.31,63.75 ; 54.88,49.53 v1(55.37,49.53) ; v1(55.37,49.53) 55.87,49.53 ; v1(55.37,49.53) 55.37,50.02 ; v1(55.37,49.53) 55.37,49.04 ; 63.51,26.42 v1(64.01,26.42) ; v1(64.01,26.42) 64.5,26.42 ; v1(64.01,26.42) 64.01,26.91 ; v1(64.01,26.42) 64.01,25.92 ; 40.69,52.52 v1(40.69,53.01) ; v1(40.69,53.01) 40.69,53.51 ; v1(40.69,53.01) 40.2,53.01 ; v1(40.69,53.01) 41.19,53.01 ; v1(90.88,35.18) 91.75,35.18 ; v1(90.88,35.18) 90.88,34.31 ; v1(90.88,35.18) 89.17,35.18 ; v1(90.88,35.18) 90.88,36.24 ; 140.04,25.55 v1(140.54,25.55) ; v1(140.54,25.55) 140.54,25.06 ; v1(140.54,25.55) 140.54,26.05 ; v1(140.54,25.55) 141.03,25.55 ; v1(40.56,25.53) 41.06,25.53 ; v1(40.56,25.53) 40.07,25.53 ; v1(40.56,25.53) 40.56,25.03 ; v1(40.56,25.53) 40.56,26.02 ; 40.51,11.06 v1(40.51,11.56) ; v1(40.51,11.56) 40.51,12.05 ; v1(40.51,11.56) 41.01,11.56 ; v1(40.51,11.56) 40.02,11.56 ; v1(84.56,57.56) 86.16,57.56 ; v1(84.56,57.56) 84.56,58.41 ; v1(84.56,57.56) 83.7,57.56 ; v1(84.56,57.56) 84.56,56.39 ; 97.16,1.92 v1(97.16,2.41) ; v1(97.16,2.41) 97.16,2.91 ; v1(97.16,2.41) 96.66,2.41 ; v1(97.16,2.41) 97.65,2.41 ; v1(66.04,57.53) 66.53,57.53 ; v1(66.04,57.53) 65.55,57.53 ; v1(66.04,57.53) 66.04,57.04 ; v1(66.04,57.53) 66.04,58.03 ; 79.68,17.02 v1(80.52,17.02) ; v1(80.52,17.02) 81.89,17.02 ; v1(80.52,17.02) 80.52,18.41 ; v1(80.52,17.02) 80.52,16.18 ; v1(43.41,53.53) 43.41,54.02 ; v1(43.41,53.53) 42.92,53.53 ; v1(43.41,53.53) 43.41,53.03 ; v1(43.41,53.53) 43.91,53.53 ; 39.37,2.16 v1(41.02,2.16) 41.98,2.16 ; v1(61.98,16.64) 62.47,16.64 ; v1(61.98,16.64) 61.98,16.14 ; v1(61.98,16.64) 61.48,16.64 ; v1(61.98,16.64) 61.98,17.13 ; v1(64.52,2.29) 65.01,2.29 ; v1(64.52,2.29) 64.52,1.79 ; v1(64.52,2.29) 64.02,2.29 ; v1(64.52,2.29) 64.52,2.78 ; v1(55.5,42.55) 55.99,42.55 ; v1(55.5,42.55) 55,42.55 ; v1(55.5,42.55) 55.5,42.05 ; v1(55.5,42.55) 55.5,43.04 ; v1(110.24,8.38) 110.24,8.88 ; v1(110.24,8.38) 110.73,8.38 ; v1(110.24,8.38) 110.24,7.89 ; v1(110.24,8.38) 109.74,8.38 ; v1(129.92,8.38) 129.92,8.88 ; v1(129.92,8.38) 129.92,7.89 ; v1(129.92,8.38) 129.43,8.38 ; v1(129.92,8.38) 130.42,8.38 ; 84.07,43.07 v1(84.07,43.56) ; v1(84.07,43.56) 84.57,43.56 ; v1(84.07,43.56) 83.58,43.56 ; v1(84.07,43.56) 84.07,44.06 ; v1(40.85,51.13) 40.85,51.63 ; v1(40.85,51.13) 40.35,51.13 ; v1(40.85,51.13) 40.85,50.64 ; v1(40.85,51.13) 41.34,51.13 ; v1(75.18,2.41) 75.68,2.41 ; v1(75.18,2.41) 75.18,1.92 ; v1(75.18,2.41) 75.18,2.91 ; v1(75.18,2.41) 74.69,2.41 ; v1(46.35,41.78) 46.35,42.28 ; v1(46.35,41.78) 45.86,41.78 ; v1(46.35,41.78) 46.85,41.78 ; v1(46.35,41.78) 46.35,41.29 ; v1(43.69,60.2) 44.79,60.2 ; v1(43.69,60.2) 43.69,61.3 ; v1(43.69,60.2) 43.69,59.03 ; v1(43.69,60.2) 42.09,60.2
  vias: v1(42.55,71.15) v1(46.86,71.02) v1(49.96,66.65) v1(51.44,71.02) v1(55.04,66.65) v1(58.55,70.76) v1(60.12,66.65) v1(65.15,70.76) v1(65.2,66.65) v1(70.23,70.76) v1(70.28,66.65) v1(75.31,70.76) v1(75.36,66.65) v1(80.39,70.76) v1(80.44,66.65) v1(85.72,84.1) v1(85.72,80.92) v1(85.72,75.84) v1(85.72,70.76) v1(85.78,66.65) v1(90.81,84.1) v1(90.81,80.92) v1(90.81,75.84) v1(90.81,70.76) v1(91.21,87.27) v1(94.31,87.27) v1(103.63,88.21) v1(103.76,82.83) v1(106.73,64.03) v1(106.98,81.33) v1(107.21,76.02) v1(108.46,46.1) v1(108.46,39.62) v1(108.58,33.02) v1(110.64,89.97) v1(114.91,90.65) v1(116.08,46.61) v1(116.46,39.88) v1(116.97,33.02) v1(119.56,70) v1(119.94,78.82) v1(120.19,63.98) v1(120.19,58.9) v1(122.73,63.98) v1(122.73,58.9) v1(122.73,53.82) v1(127.53,36.04) v1(127.51,33.02) v1(132.18,39.83) v1(132.18,35.99) v1(132.18,33.35) v1(132.59,46.48)
